# Altium PCB FMC_ADC_130M_16B_4CH.PcbDoc (part 8 of 8)
Units mil, origin at the board's own origin, x right, y up, seen from the top; angles counter-clockwise.
Board outline 3023 x 2716.54 mil, 8 copper layers (Top Layer, GND1, L3, GND2, L5, GND3, POWER, Bottom Layer), stack 52.323 mil thick; 406 components, 449 nets, 2146 pads, 1659 vias.
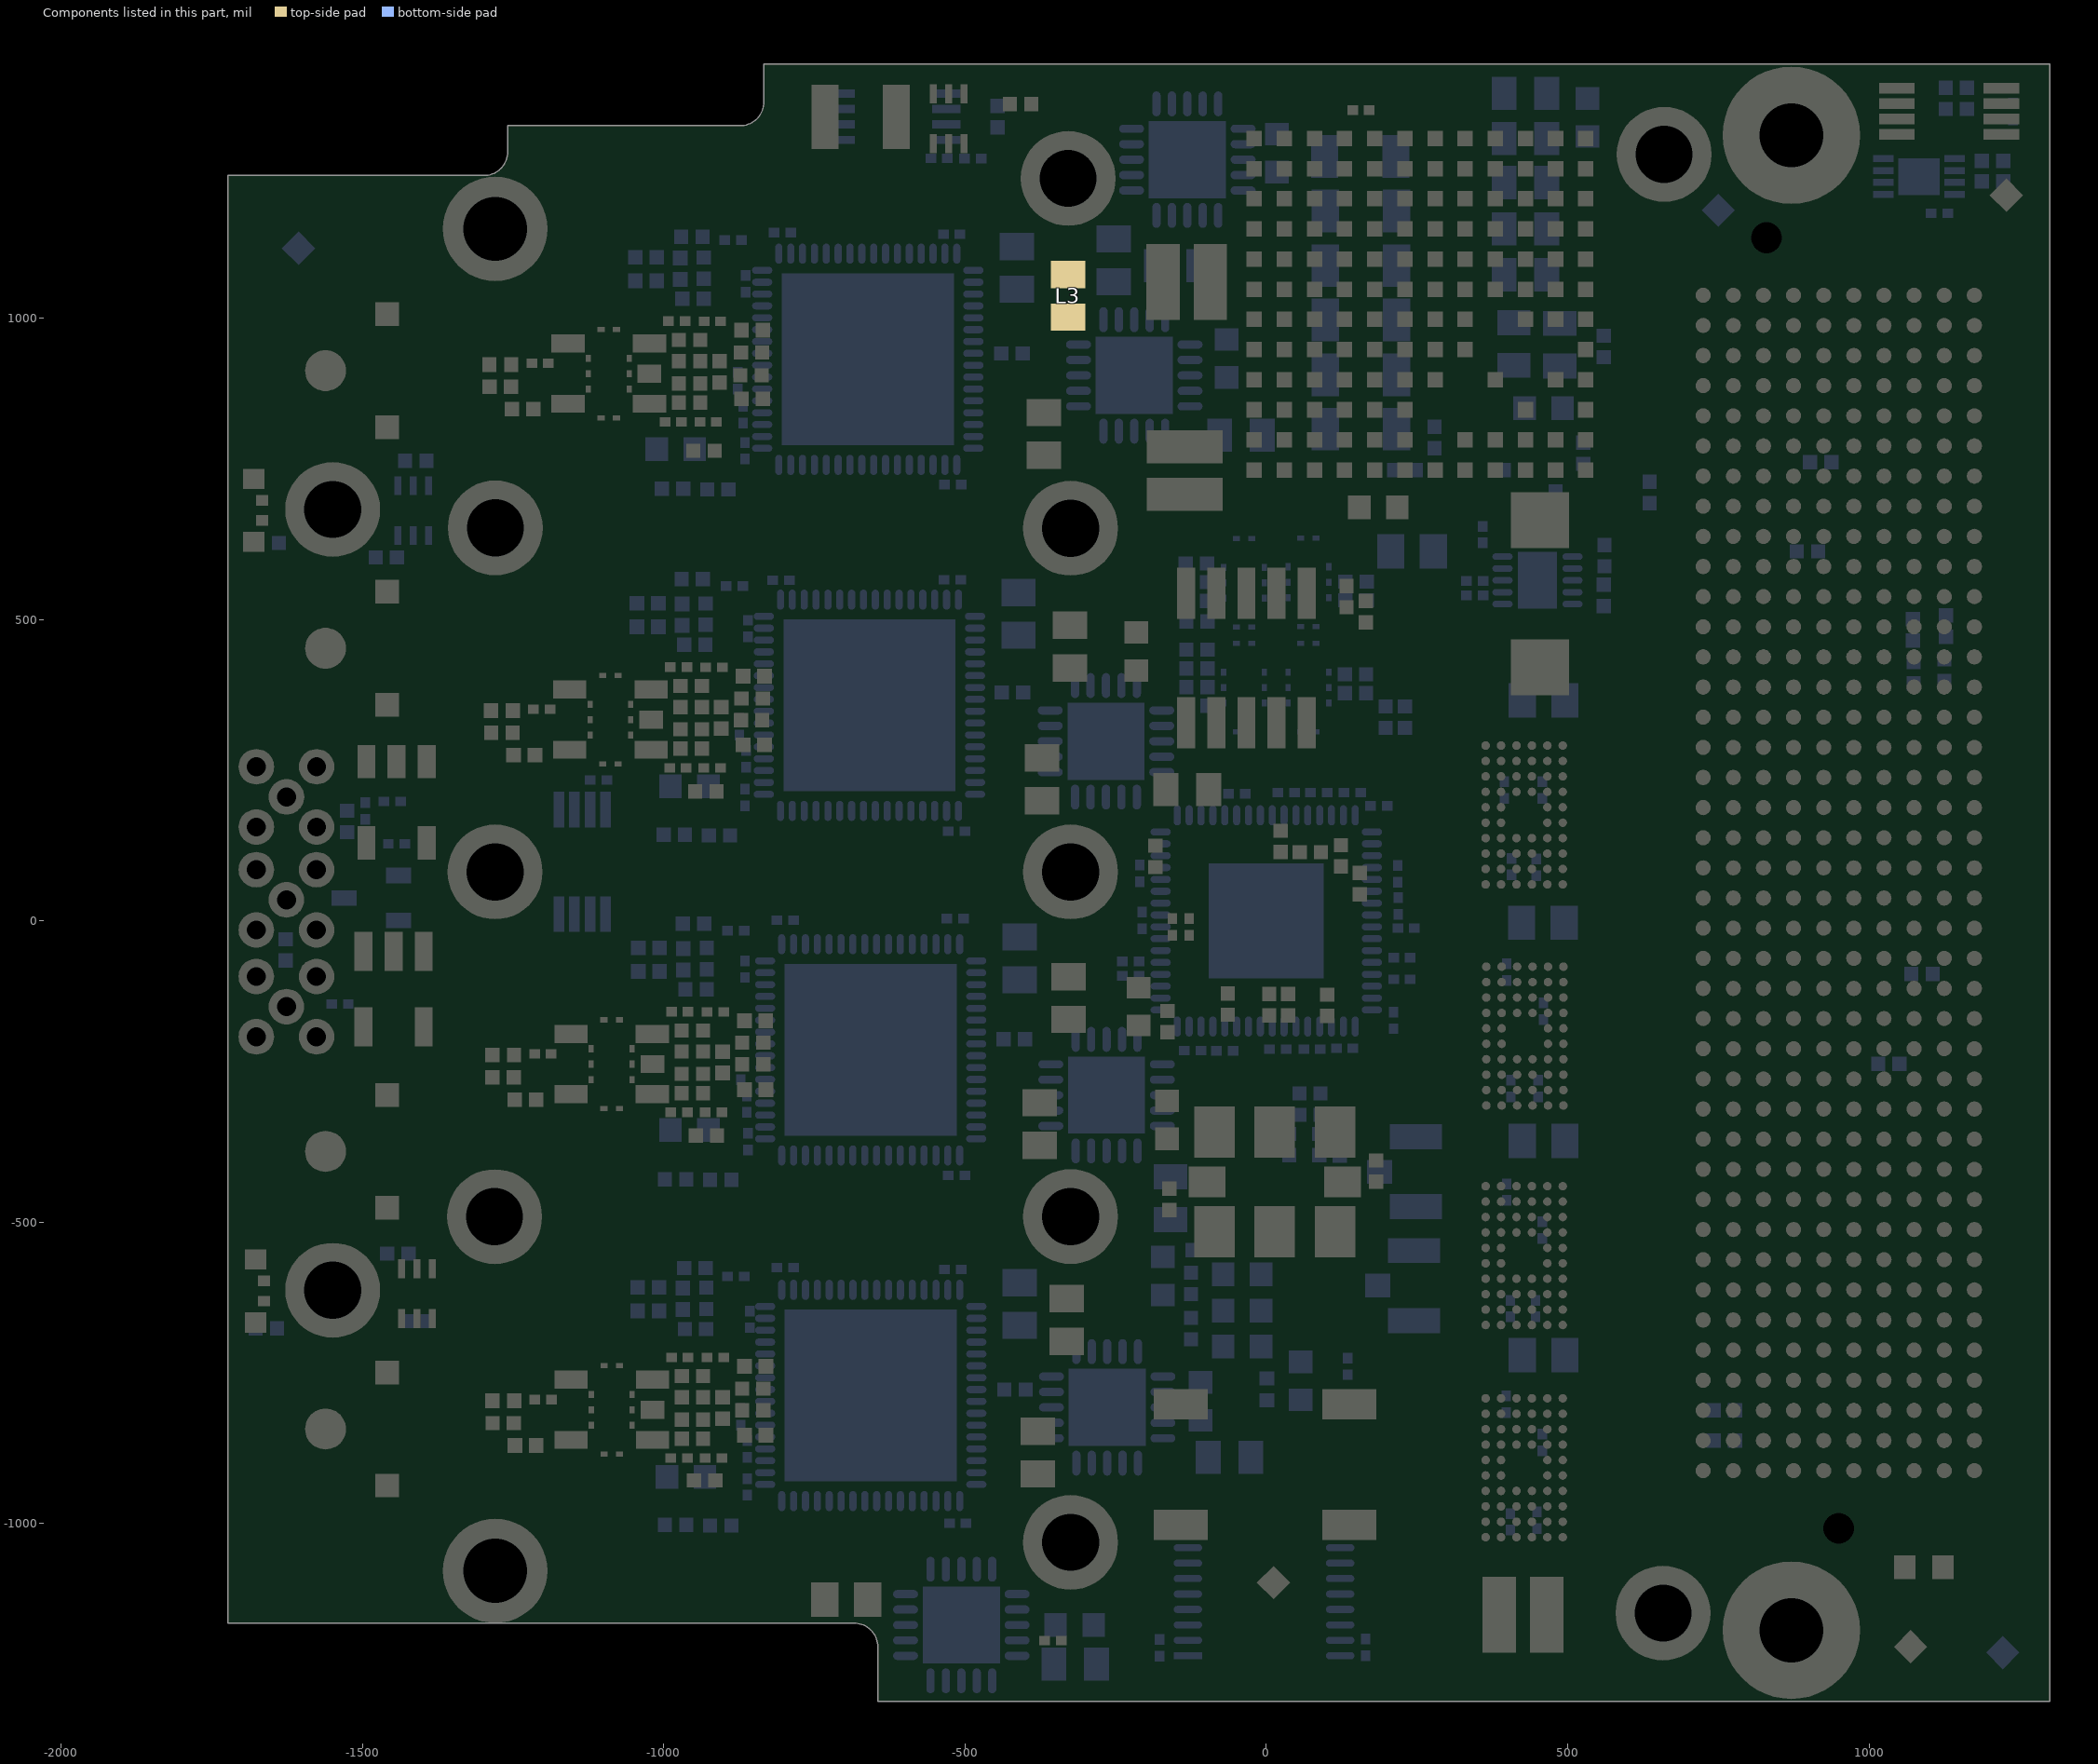
[diagram p14: the components of this part, seen from the top]

## Other copper
Top Layer:
  rectangle net AINA_N: -830.32,934.02 -816.42,948.88
  rectangle net GND: 258.35,465.89 313.06,726.71
  rectangle net P4V0: -43,681 139,717
  rectangle net P4V0: -67,681 -43,762
  rectangle net P4V0: -76,745 -54,1123
  rectangle net GND: -1420.94,-969.34 -1339.89,-890.39
  rectangle net GND: -1420.94,-743.68 -1347.19,-702.99
  rectangle net GND: -1420.94,-515 -1340,-429.76
  rectangle net GND: -1425,500 -1340,580
  rectangle net GND: -1425,775 -1345,835
  rectangle net GND: -1430,979.88 -1347.32,1040
  rectangle net GND: -380,133 -343,192
  rectangle net GND: -196,1198 -66,1328
  rectangle net GND: -284,840 -154,970
  rectangle net GND: -331,233 -201,363
  rectangle net GND: -330,-354 -200,-224
  rectangle net GND: -329,-872 -199,-742
  rectangle net GND: -571,-1233 -441,-1103
  rectangle net GND: -794.09,-925.06 -518.5,-649.47
  rectangle net GND: -794.2,-351.64 -518.61,-76.05
  rectangle net GND: -796.28,219.94 -520.69,495.53
  rectangle net GND: -798.99,793.94 -523.4,1069.53
  rectangle net GND: -395.58,682 -341,766.67
  rectangle net NetC91_2: -364.43,348 -344,396.43
  rectangle net P3V3_ADC2: -354,544 -317,561
  rectangle net P3V3_ADC2: -354,476 -304,546
  rectangle net P3V3_ADC3: -375,-121 -327,-70
  rectangle net NetC97_2: -405,-288 -369,-236
  rectangle net NetC97_2: -376,-288 -348,-141
  rectangle net P3V3: 462,-1213 555,-1170
  rectangle net NetC84_2: 275,-1214 411,-1173
  rectangle net P4V0_1: -200,1120 -144,1142
  rectangle net GND: -390,-987 -350,-932
  rectangle net NetC101_2: -400,-880 -366,-865
  rectangle net NetC101_2: -407,-843 -368,-797
  rectangle net NetC101_2: -370,-878 -345,-714
  rectangle net P3V3_ADC4: -359,-668 -303,-646
  rectangle net GND: 258.51,391.89 492.2,471.01
  rectangle net P12V0: 382,610 529,714
  rectangle net NetC77_2: -347,878 -307,997
  rectangle net NetC77_2: -391,849 -346,953
  rectangle net P3V3_ADC1: -347,1092 -311,1133
  rectangle net NetC91_2: -405,275 -343.28,361
  rectangle net NetC91_2: -352.28,368 -307,423
  rectangle net P4V0: -36,786 145,1163
  rectangle net P4V0: 32,1163 145,1340
  rectangle net GND: 260,866 349,1318
  rectangle net GND: 349,1024 401,1318
  rectangle net P12V0: 414,1024 546,1318
  rectangle net P4V0_2: -183,735 -107,755
  rectangle net GND: -90,-90 90,90
  rectangle net GND: -390,-455 -349.22,-370
  rectangle net GND: 164,873 276,1345
  rectangle net GND: 155,769 260,827
  rectangle net GND: -819.93,-751.07 -811.27,-742.26
  rectangle net NetC1D_1: -995.82,-753.35 -991.12,-741.97
  rectangle net GND: -921.09,816.24 -915.04,822
  rectangle net VCMB: -906.37,223.1 -900.49,230.08
  rectangle net VCMC: -901.52,-345.02 -899.57,-341.2
  rectangle net GND: 420.61,-945.24 435.59,-936.06
  rectangle net GND: 430.45,-867.03 441.17,-859.61
  rectangle net GND: 415.1,-820.03 432.94,-807.84
  rectangle net GND: 414.81,-593.98 441.39,-584.07
  rectangle net GND: 417.57,-229.39 440.86,-219.75
  rectangle net GND: 416.85,-151.95 441.35,-142.39
  rectangle net GND: 415.72,-101.42 426.57,-77.17
  rectangle net GND: 416.93,136.2 439.66,147.36
  rectangle net GND: 415.32,214.35 440.06,224.88
  region net ACTIVE4_CLK_N: -12.74,-144.79 -12.6,-144.93 -5.03,-144.93 -5.03,-148.35 -7.28,-150.6 -7.34,-150.54 -10.81,-150.54
  region net P3V3: 1029.26,1031.19 1029.26,1019.51 1025.94,1016.19 1025.71,1016.42 1019.58,1016.42 1016.55,1019.45 1016.55,1029.93
  region net B_CLKOUTAD: 492.86,-1024.64 498.41,-1024.64 500.9,-1027.13 500.31,-1027.72 500.31,-1033.63 499.16,-1034.78 497.23,-1034.78 491.17,-1028.72
  region net ACTIVE3_CLK_P: 159.08,495.07 156.44,492.43 156.44,486.58 156.41,486.58 153.3,483.47 153.27,483.5 148.88,483.5 148.88,491.36 150.58,493.06
  region net GND: 415.45,-1004.98 433.08,-1004.98 441.67,-996.39 441.67,-989.86 434.38,-982.57 421.72,-982.57 414.74,-989.55 414.74,-997.81
  region net GND: 430.95,-859.69 431.27,-860.01 431.27,-878.74 427.85,-878.74 424.88,-881.71 422.62,-879.45 417.72,-879.45 413.06,-874.79 413.06,-863.89 417.65,-859.3 428.88,-859.3
  region net GND: 415.78,-790.59 416.61,-790.59 440.18,-814.16 440.18,-817.84 415.78,-817.84 415.13,-817.19
  region net GND: 414.61,-644.2 414.61,-635.87 416.42,-634.06 437.4,-634.06 440.7,-637.36 440.7,-646.98 433.34,-654.34 417.84,-654.34
  region net GND: 415.13,-516.47 415.13,-509.04 418.22,-505.95 438.13,-505.95 441.35,-509.17 441.35,-517.44
  region net GND: 423.22,-101.54 432.25,-101.54 435.67,-98.12 435.67,-91.35 426.2,-81.88 421.13,-81.88 421.13,-100.28 421.94,-101.09
  region net GND: 416.68,-276.44 416.68,-275.99 422.23,-270.44 422.29,-270.5 437.6,-270.5 442.32,-275.22 442.32,-282.25 442,-282.25 434.5,-289.75 420.62,-289.75
  region net GND: 416.42,-442.73 422.1,-442.73 426.63,-447.26 426.63,-457.38 426.18,-457.38 420.75,-462.81 420.62,-462.68 417.33,-462.68
  region net GND: 417,-797.31 417.39,-796.92 422.1,-796.92 427.46,-802.28 422.94,-806.8 417.58,-806.8
  region net NetC91_2: -347.18,400.43 -352.77,394.84 -355.09,394.84 -355.09,397.17 -354.31,397.95
  region net P3V3: -1658.66,673.16 -1644.06,673.16 -1639.84,668.94 -1639.84,658.92 -1643.35,655.41 -1658.08,655.41
  region net NetLD2_3: -1657.73,706.71 -1657.66,706.64 -1645.2,706.64 -1640.61,702.05 -1640.61,693.48 -1645.27,688.82 -1658.12,688.82 -1659.02,689.72
  region net NetC2D_2: -1134.99,-771.02 -1131.13,-771.02 -1124.92,-777.23 -1124.92,-779.26 -1128.83,-779.26 -1129.41,-778.68
  region net GND: -725.19,-1088.86 -725.19,-1100.87 -726.1,-1101.78 -726.17,-1101.71 -737.6,-1101.71 -740.83,-1098.48 -740.83,-1088.67
  region net P1V8: -694.85,-1088.8 -694.59,-1089.06 -622.51,-1089.06 -614.51,-1097.06 -614.52,-1097.07 -614.52,-1128.83 -621.5,-1135.81 -691.22,-1135.81 -700.79,-1126.24 -700.79,-1101.97
  region net GND: -22.49,594.03 -18.23,589.77 -18.23,585.37 -29.72,585.37 -31.79,587.44
  region net INPUTA: -1241.08,935.2 -1227.64,932.87 -1227.62,932.87 -1227.61,930.48 -1241.12,930.47 -1241.1,935.2
  region net INPUTA: -1241.16,915.58 -1241.18,910.8 -1217,917.03 -1216.08,917.34 -1216.08,917.64 -1241.26,917.12
  region net NetJ6_1: -1311.6,903.12 -1300.41,897.72 -1298.55,897.76 -1298.6,905.67
  region net NetC6A_2: -1263.91,861.19 -1265.09,874.2 -1260.76,874.22 -1260.76,861.18
  region net NetC6A_2: -1239.52,861.2 -1241.47,874.19 -1241.48,874.22 -1245.87,874.25 -1245.89,861.09
  region net NetC2A_2: -1194.6,932.71 -1183.44,950.28 -1164.66,943.81 -1191.22,925
  region net NetC8A_2: -986.51,880.06 -986.52,871.61 -982.07,871.57 -982.07,880.18
  region net NetC8A_2: -962.9,880.04 -962.92,871.55 -967.41,871.54 -967.3,880.08
  region net NetC1A_2: -986.52,952.17 -986.52,939.34 -981.3,939.23 -981.54,952.56
  region net NetC1A_2: -962.92,952.15 -962.91,940.03 -967.53,939.98 -967.74,952.47
  region net NetC3A_1: -927.59,940.63 -919.17,940.91 -919.05,936.11 -927.66,936.25
  region net NetC3A_1: -927.49,917.02 -919.16,916.51 -919.01,921.45 -927.77,921.53
  region net NetC5A_1: -927.63,903.61 -919.16,905.51 -918.62,898.84 -927.79,898.98
  region net NetC5A_1: -927.57,880.03 -919.09,881.1 -919.12,884.59 -927.66,884.55
  region net NetC5A_1: -894.82,905.46 -884.44,906.81 -884.04,905.18 -894.82,900.59
  region net NetC1A_2: -986.51,975.59 -971.22,991.59 -972.29,970.62
  region net NetC8A_2: -986.51,848.09 -977.72,833.69 -971.75,835.5 -981.13,849.34
  region net NetC8A_1: -995.94,843.06 -988.94,835.86 -990.33,834.01 -998.9,843.68
  region net NetC8A_2: -962.94,848.05 -961.34,820.18 -971.99,824.83 -970.83,851.47
  region net NetC1B_2: -983.79,401.59 -968.5,417.59 -969.57,396.62
  region net NetC5B_1: -892.1,331.46 -881.72,332.81 -881.32,331.18 -892.1,326.59
  region net NetC5B_1: -924.85,306.03 -916.37,307.1 -916.4,310.59 -924.94,310.55
  region net NetC5B_1: -924.91,329.61 -916.44,331.51 -915.9,324.84 -925.07,324.98
  region net NetC3B_1: -924.77,343.02 -916.44,342.51 -916.29,347.45 -925.05,347.53
  region net NetC3B_1: -924.87,366.63 -916.45,366.91 -916.33,362.11 -924.94,362.25
  region net NetC1B_2: -960.2,378.15 -960.19,366.03 -964.81,365.98 -965.02,378.47
  region net NetC1B_2: -983.8,378.17 -983.8,365.34 -978.58,365.23 -978.82,378.56
  region net NetC8B_2: -960.18,306.04 -960.2,297.55 -964.69,297.54 -964.58,306.08
  region net NetC8B_2: -983.79,306.06 -983.8,297.61 -979.35,297.57 -979.35,306.18
  region net NetC2B_2: -1191.88,358.71 -1180.72,376.28 -1161.94,369.81 -1188.5,351
  region net NetC6B_2: -1236.8,287.2 -1238.75,300.19 -1238.76,300.22 -1243.15,300.25 -1243.17,287.09
  region net NetC6B_2: -1261.19,287.19 -1262.37,300.2 -1258.04,300.22 -1258.04,287.18
  region net INPUTB: -1238.44,341.58 -1238.46,336.8 -1214.28,343.03 -1213.36,343.34 -1213.36,343.64 -1238.54,343.12
  region net INPUTB: -1238.36,361.2 -1224.92,358.87 -1224.9,358.87 -1224.89,356.48 -1238.4,356.47 -1238.38,361.2
  region net NetC1C_2: -981.71,-169.98 -966.42,-153.98 -967.49,-174.95
  region net NetC5C_1: -890.02,-240.11 -879.64,-238.76 -879.24,-240.39 -890.02,-244.98
  region net NetC5C_1: -922.77,-265.54 -914.29,-264.47 -914.32,-260.98 -922.86,-261.02
  region net NetC5C_1: -922.83,-241.96 -914.36,-240.06 -913.82,-246.73 -922.99,-246.59
  region net NetC3C_1: -922.69,-228.55 -914.36,-229.06 -914.21,-224.12 -922.97,-224.04
  region net NetC3C_1: -922.79,-204.94 -914.37,-204.66 -914.25,-209.46 -922.86,-209.32
  region net NetC1C_2: -958.12,-193.42 -958.11,-205.54 -962.73,-205.59 -962.94,-193.1
  region net NetC1C_2: -981.72,-193.4 -981.72,-206.23 -976.5,-206.34 -976.74,-193.01
  region net NetC8C_2: -958.1,-265.53 -958.12,-274.02 -962.61,-274.03 -962.5,-265.49
  region net NetC8C_2: -981.71,-265.51 -981.72,-273.96 -977.27,-274 -977.27,-265.39
  region net NetC2C_2: -1189.8,-212.86 -1178.64,-195.29 -1159.86,-201.76 -1186.43,-220.57
  region net NetC6C_2: -1234.72,-284.37 -1236.67,-271.38 -1236.68,-271.35 -1241.07,-271.32 -1241.09,-284.48
  region net NetC6C_2: -1259.11,-284.38 -1260.29,-271.37 -1255.96,-271.35 -1255.96,-284.39
  region net INPUTC: -1236.36,-229.99 -1236.38,-234.77 -1212.2,-228.54 -1211.28,-228.23 -1211.28,-227.93 -1236.46,-228.45
  region net INPUTC: -1236.28,-210.37 -1222.84,-212.7 -1222.82,-212.7 -1222.81,-215.09 -1236.32,-215.1 -1236.3,-210.37
  region net NetC1D_2: -981.6,-743.41 -966.31,-727.41 -967.38,-748.38
  region net NetC5D_1: -889.91,-813.54 -879.53,-812.19 -879.13,-813.82 -889.91,-818.41
  region net NetC5D_1: -922.66,-838.97 -914.18,-837.9 -914.21,-834.41 -922.75,-834.45
  region net NetC5D_1: -922.72,-815.39 -914.25,-813.49 -913.71,-820.16 -922.88,-820.02
  region net NetC3D_1: -922.58,-801.98 -914.25,-802.49 -914.1,-797.55 -922.86,-797.47
  region net NetC3D_1: -922.68,-778.37 -914.26,-778.09 -914.14,-782.89 -922.75,-782.75
  region net NetC1D_2: -958.01,-766.85 -958,-778.97 -962.62,-779.02 -962.83,-766.53
  region net NetC1D_2: -981.61,-766.83 -981.61,-779.66 -976.39,-779.77 -976.63,-766.44
  region net NetC8D_2: -957.99,-838.96 -958.01,-847.45 -962.5,-847.46 -962.39,-838.92
  region net NetC8D_2: -981.6,-838.94 -981.61,-847.39 -977.16,-847.43 -977.16,-838.82
  region net NetC2D_2: -1189.69,-786.29 -1178.53,-768.72 -1159.75,-775.19 -1186.31,-794
  region net NetC6D_2: -1234.61,-857.8 -1236.56,-844.81 -1236.57,-844.78 -1240.96,-844.75 -1240.98,-857.91
  region net NetC6D_2: -1259,-857.81 -1260.18,-844.8 -1255.85,-844.78 -1255.85,-857.82
  region net INPUTD: -1236.25,-803.42 -1236.27,-808.2 -1212.09,-801.97 -1211.17,-801.66 -1211.17,-801.36 -1236.35,-801.88
  region net INPUTD: -1236.17,-783.8 -1222.73,-786.13 -1222.71,-786.13 -1222.7,-788.52 -1236.21,-788.53 -1236.19,-783.8
  region net GND: 415.48,265.88 415.76,265.6 429.86,265.6 430.42,266.16 430.3,266.28 430.3,281.42 427.26,281.42 419.67,289.01 416.32,289.01 416.32,266.6 415.64,265.92
  region net GND: -1389.74,-591.43 -1389.74,-597.59 -1387.24,-600.09 -1387.11,-599.96 -1381.22,-599.96 -1378.1,-596.84 -1378.1,-591.57
  region net NetLD1_1: -1661.62,-649.4 -1661.55,-649.47 -1653.88,-649.47 -1653.88,-658.16 -1653.96,-658.24 -1661.4,-658.24
  region net GND: 580.83,1139.94 580.56,1139.68 580.56,-1172.6 cw(c519.1,-1172.6) 562.56,-1216.06 cw(c521.92,-1175.41) 521.92,-1232.89 314.29,-1232.89 cw(c312.27,-1234.74) 315,-1234.74 315,-1268 578.24,-1268 578.39,-1268.15 600.54,-1245.99 cw(c642.1,-1287.55) 642.1,-1228.78 702.87,-1228.78 739.29,-1192.36 739.29,-1102.8 707.99,-1071.49 669.99,-1071.49 cw(c669.99,-1025.63) 637.56,-1058.06 635.84,-1056.34 cw(c680.12,-1012.06) 617.5,-1012.06 617.5,1145.55 617.37,1145.67 581.1,1145.67 580.83,1145.94
  region net GND: -133.44,616.7 145.28,616.7 cw(c145.28,552.66) 190.56,597.94 cw(c151.93,559.32) 206.56,559.32 206.56,-135.06 206.62,-135 242,-135 242,595.25 ccw(c185.87,595.25) 225.56,634.94 ccw(c184.52,593.9) 184.52,651.94 -132.94,651.94 -133,652 -133,617
  region net GND: -1252.47,1042.87 ccw(c-1252.47,1096.64) -1214.45,1058.62 -1186.69,1086.38 ccw(c-1233.74,1133.43) -1167.2,1133.43 -1167.2,1230.05 cw(c-1160.48,1230.05) -1165.24,1234.8 -1157.77,1234.8 ccw(c-1157.77,1238.16) -1155.39,1235.79 cw(c-1164.9,1226.28) -1151.46,1226.28 -1151.46,1120.94 cw(c-1178.34,1120.94) -1159.33,1101.93 -1210.71,1050.55 cw(c-1257.76,1097.6) -1257.76,1031.06 -1289.25,1031.06 -1289.25,1039.92
  region net GND: 580.83,1139.94 581,1147 582,1158 581,1312 581,1321.37 ccw(c526.37,1321.37) 565,1360 561.56,1363.44 ccw(c524,1325.89) 524,1379 -191.96,1379 ccw(c-191.96,1320.96) -233,1362 -234.03,1360.97 ccw(c-193.06,1320) -251,1320 -283,1320 -283,1366.59 ccw(c-286.41,1366.59) -284,1369 cw(c-281.59,1371.41) -285,1371.41 -285,1389 -253.82,1409.02 569.02,1409.02 627.57,1363.43 ccw(c660,1395.87) 660,1350 710,1350 ccw(c712.41,1350) 710.71,1348.29 740,1319 740,1230 cw(c737.59,1230) 739.29,1228.29 704,1193 677.46,1193 ccw(c677.46,1131.54) 634,1175 629.73,1170.73 ccw(c660.46,1140) 617,1140
  region net GND: -133,617 -188.13,617 ccw(c-188.13,552.13) -234,598 ccw(c-195.37,559.37) -250,559.37 -250,547 -266,547 -266,773 -250,773 -250,707.63 ccw(c-195.37,707.63) -234,669 ccw(c-192.96,710.04) -192.96,652 -133,652
  region net GND: 207,-331 ccw(c129.75,-331) 184.37,-276.37 183,-275 ccw(c156.44,-301.56) 156.44,-264 123,-264 123,-211 150.79,-211 ccw(c150.79,-159.79) 187,-196 ccw(c141.13,-150.13) 206,-150.13 206,-135 242,-135 242,-331
  region net GND: 147,-1233 ccw(c147,-1172.64) 189.68,-1215.32 190,-1215 ccw(c148.96,-1173.96) 207,-1173.96 207,-331 242,-331 242,-1174.37 ccw(c296.63,-1174.37) 258,-1213 ccw(c306.29,-1164.72) 306.29,-1233 314,-1233 cw(c311.59,-1235.41) 315,-1235.41 315,-1268 147,-1268
  region net GND: -286,-135 -249,-135 -249,-158.2 ccw(c-201.2,-158.2) -235,-192 ccw(c-189.13,-146.13) -189.13,-211 123,-211 123,-264 -193.79,-264 ccw(c-193.79,-315.21) -230,-279 -234.15,-283.15 ccw(c-198.3,-319) -249,-319 -249,-341 -286,-341
  region net GND: -285.57,-792.76 -285.57,-896.33 cw(c-341.67,-896.33) -302,-936 -306.98,-940.98 cw(c-336,-911.96) -336,-953 ccw(c-336,-1010.94) -376.97,-969.97 -390,-983 -397,-993 -400,-999 -400,-999.27 cw(c-430.73,-999.27) -409,-1021 -418.44,-1030.44 cw(c-456,-992.89) -456,-1046 -466.13,-1046 -466.42,-1045.71 -466.42,-1079.17 -412.21,-1079.17 cw(c-412.21,-1133.21) -374,-1095 ccw(c-342.61,-1063.62) -342.61,-1108 -339,-1108 cw(c-339,-1156.28) -304.86,-1122.14 -304,-1123 cw(c-349.87,-1168.87) -285,-1168.87 -285,-1262 -279,-1268 147,-1268 147,-1233 -190.37,-1233 cw(c-190.37,-1178.37) -229,-1217 -234.86,-1211.14 cw(c-200.71,-1177) -249,-1177 -249,-792 -283.74,-792 ccw(c-283.74,-794.58)
  region net GND: -439.2,1251.26 -437.14,1251.26 ccw(c-437.14,1308.68) -396.53,1268.08 -361.29,1303.32 cw(c-344.62,1286.65) -344.62,1310.23 -342.05,1310.23 ccw(c-342.05,1361.23) -305.98,1325.16 -302.71,1328.43 ccw(c-344.72,1370.44) -285.31,1370.44 -284.58,1370.76 -251.12,1370.76 -251,906 -285,906 -285.57,1102.55 ccw(c-331.75,1102.55) -299.09,1135.2 -305.15,1141.26 ccw(c-340.43,1105.97) -340.43,1155.87 cw(c-340.43,1196) -368.81,1167.63 -401.23,1200.05 ccw(c-439.11,1162.17) -439.11,1215.74
  region net GND: -439.2,-473.95 -437.14,-473.95 ccw(c-437.14,-416.52) -396.53,-457.13 -361.29,-421.88 cw(c-344.62,-438.55) -344.62,-414.98 -342.05,-414.98 ccw(c-342.05,-363.98) -305.98,-400.04 -302.71,-396.77 ccw(c-344.72,-354.76) -285.31,-354.76 -285.31,-236.65 -250.87,-236.65 -250.87,-792.76 -285.57,-792.76 -285.57,-622.66 ccw(c-331.75,-622.66) -299.09,-590 -305.15,-583.95 ccw(c-340.43,-619.23) -340.43,-569.33 cw(c-340.43,-529.2) -368.81,-557.58 -401.23,-525.16 ccw(c-439.11,-563.04) -439.11,-509.47
  region net GND: -439.2,100.86 -437.14,100.86 ccw(c-437.14,158.28) -396.53,117.68 -361.29,152.92 cw(c-344.62,136.25) -344.62,159.83 -342.05,159.83 ccw(c-342.05,210.83) -305.98,174.76 -302.71,178.03 ccw(c-344.72,220.04) -285.31,220.04 -285.31,338.15 -250.87,338.15 -251,-237 -285,-237 -285.57,-47.85 ccw(c-331.75,-47.85) -299.09,-15.2 -305.15,-9.14 ccw(c-340.43,-44.43) -340.43,5.47 cw(c-340.43,45.6) -368.81,17.23 -401.23,49.65 ccw(c-439.11,11.77) -439.11,65.34
  region net GND: -439.2,668.77 -437.14,668.77 ccw(c-437.14,726.2) -396.53,685.59 -361.29,720.83 cw(c-344.62,704.17) -344.62,727.74 -342.05,727.74 ccw(c-342.05,778.74) -305.98,742.68 -302.71,745.95 ccw(c-344.72,787.95) -285.31,787.95 -285.31,906.06 -250.87,906.06 -251,338 -285,338 -285.57,520.06 ccw(c-331.75,520.06) -299.09,552.72 -305.15,558.77 ccw(c-340.43,523.49) -340.43,573.39 cw(c-340.43,613.52) -368.81,585.14 -401.23,617.56 ccw(c-439.11,579.68) -439.11,633.25
  region net GND: -1347.32,979.88 -1347.32,1030.08 -1332.56,1042.87 -1230.2,1042.87 -1165.24,1104.88 -1165.24,1234.8 -1148.5,1250.55 -438.73,1250.55 -438.86,1214.13 -1051.06,1215.12 -1054.55,1215.12 ccw(c-1054.55,1154.63) -1097.32,1197.4 ccw(c-1056.93,1157.01) -1114.05,1157.01 -1114.05,1107.83 -1211.78,1010.11 ccw(c-1210.1,1008.43) -1212.48,1008.43 -1257.48,1008.43 ccw(c-1257.48,941.22) -1305,988.74 -1313.34,980.4 -1313.34,979.88
  region net GND: -1343.82,-860.09 -1309.38,-860.09 -1309.38,-887.65 ccw(c-1259.48,-887.65) -1294.76,-922.93 -1290.68,-927.02 ccw(c-1252.66,-889) -1252.66,-942.77 -1190.11,-942.77 -1190.11,-942.94 -1105.14,-1027.9 ccw(c-1061.18,-983.95) -1061.18,-1046.11 -465.87,-1046.11 -465.87,-1079.58 -1052.45,-1079.58 ccw(c-1052.45,-1136.71) -1092.84,-1096.31 -1099.03,-1102.5 ccw(c-1097.35,-1104.18) -1099.73,-1104.18 -1106.62,-1115.01 -1109.57,-1125.84 -1149.93,-1125.84 -1149.93,-1055.96 ccw(c-1204.58,-1055.96) -1165.93,-1017.31 -1194.22,-989.03 -1206.03,-980.17 -1212.92,-977.22 -1219.81,-975.25 -1230.64,-973.28 -1335.95,-973.28 -1343.83,-965.4 -1343.82,-965.4
  region net GND: -1311.89,-310.6 ccw(c-1248.04,-310.6) -1293.19,-355.75 ccw(c-1254.75,-317.31) -1254.75,-371.67 -1192.62,-371.67 -1105.74,-458.55 ccw(c-1068.78,-421.58) -1068.78,-473.86 -439.28,-473.86 -439.11,-474.03 -439.11,-509.47 -1051.61,-509.47 ccw(c-1051.61,-572.72) -1096.34,-527.99 -1097.76,-529.41 ccw(c-1060.79,-566.38) -1113.07,-566.38 -1113.07,-614.08 ccw(c-1110.57,-614.08) -1112.34,-615.84 -1211.5,-715 cw(c-1213.87,-712.62) -1213.87,-715.98 -1267.63,-715.98 ccw(c-1267.63,-756.31) -1296.14,-727.8 -1309.82,-741.48 ccw(c-1307.21,-744.09) -1310.9,-744.09 -1312.87,-744.09 -1313.15,-743.82 -1347.05,-743.82 -1347.32,-743.54 -1347.32,-287.83 -1311.89,-287.83
  region net GND: -1311.89,264.2 ccw(c-1248.04,264.2) -1293.19,219.06 ccw(c-1254.75,257.5) -1254.75,203.13 -1192.62,203.13 -1105.74,116.26 ccw(c-1068.78,153.22) -1068.78,100.95 -439.28,100.95 -439.11,100.77 -439.11,65.34 -1051.61,65.34 ccw(c-1051.61,2.08) -1096.34,46.81 -1097.76,45.39 ccw(c-1060.79,8.43) -1113.07,8.43 -1113.07,-39.27 ccw(c-1110.57,-39.27) -1112.34,-41.04 -1211.5,-140.2 cw(c-1213.87,-137.82) -1213.87,-141.18 -1267.63,-141.18 ccw(c-1267.63,-181.51) -1296.14,-152.99 -1309.82,-166.67 ccw(c-1307.21,-169.29) -1310.9,-169.29 -1312.87,-169.29 -1313.15,-169.01 -1347.05,-169.01 -1347.32,-168.74 -1347.32,286.97 -1311.89,286.97
  region net GND: -1311.89,832.12 ccw(c-1248.04,832.12) -1293.19,786.97 ccw(c-1254.75,825.41) -1254.75,771.05 -1192.62,771.05 -1105.74,684.17 ccw(c-1068.78,721.13) -1068.78,668.86 -439.28,668.86 -439.11,668.68 -439.11,633.25 -1051.61,633.25 ccw(c-1051.61,570) -1096.34,614.72 -1097.76,613.3 ccw(c-1060.79,576.34) -1113.07,576.34 -1113.07,528.64 ccw(c-1110.57,528.64) -1112.34,526.87 -1211.5,427.72 cw(c-1213.87,430.09) -1213.87,426.73 -1267.63,426.73 ccw(c-1267.63,386.41) -1296.14,414.92 -1309.82,401.24 ccw(c-1307.21,398.63) -1310.9,398.63 -1312.87,398.63 -1313.15,398.9 -1347.05,398.9 -1347.32,399.17 -1347.32,854.88 -1311.89,854.88
L3:
  pour cut-out: -1561.14,952.49 cw(c-1561.14,911.52) -1532.17,940.49 -1532.07,940.39 cw(c-1555.97,916.49) -1522.17,916.49 -1522.17,909.63 cw(c-1556.31,909.63) -1532.17,885.49 cw(c-1561.14,914.46) -1561.14,873.49 -1565.44,873.49 cw(c-1565.44,904.22) -1587.17,882.49 -1590.97,886.3 cw(c-1568.78,908.49) -1600.17,908.49 -1600.17,912.52 cw(c-1559.2,912.52) -1588.17,941.49 cw(c-1561.61,914.93) -1561.61,952.49
  pour cut-out: -1561.14,491.86 cw(c-1561.14,450.89) -1532.17,479.86 -1532.07,479.76 cw(c-1555.97,455.86) -1522.17,455.86 -1522.17,449 cw(c-1556.31,449) -1532.17,424.86 cw(c-1561.14,453.83) -1561.14,412.86 -1565.44,412.86 cw(c-1565.44,443.59) -1587.17,421.86 -1590.97,425.67 cw(c-1568.78,447.86) -1600.17,447.86 -1600.17,451.89 cw(c-1559.2,451.89) -1588.17,480.86 cw(c-1561.61,454.3) -1561.61,491.86
  pour cut-out: -1561.14,-342.79 cw(c-1561.14,-383.76) -1532.17,-354.79 -1532.07,-354.89 cw(c-1555.97,-378.79) -1522.17,-378.79 -1522.17,-385.65 cw(c-1556.31,-385.65) -1532.17,-409.79 cw(c-1561.14,-380.82) -1561.14,-421.79 -1565.44,-421.79 cw(c-1565.44,-391.06) -1587.17,-412.79 -1590.97,-408.98 cw(c-1568.78,-386.79) -1600.17,-386.79 -1600.17,-382.76 cw(c-1559.2,-382.76) -1588.17,-353.79 cw(c-1561.61,-380.34) -1561.61,-342.79
  pour cut-out: -1561.14,-803.42 cw(c-1561.14,-844.39) -1532.17,-815.42 -1532.07,-815.52 cw(c-1555.97,-839.42) -1522.17,-839.42 -1522.17,-846.28 cw(c-1556.31,-846.28) -1532.17,-870.42 cw(c-1561.14,-841.45) -1561.14,-882.42 -1565.44,-882.42 cw(c-1565.44,-851.69) -1587.17,-873.42 -1590.97,-869.61 cw(c-1568.78,-847.42) -1600.17,-847.42 -1600.17,-843.39 cw(c-1559.2,-843.39) -1588.17,-814.42 cw(c-1561.61,-840.97) -1561.61,-803.42
Bottom Layer:
  rectangle net GND: 47.07,461.06 91.75,487.93
  rectangle net GND: -58.27,460.15 -14.62,488.5
  rectangle net GND: -69.61,621.23 -15.4,631.94
  rectangle net GND: 50.7,617.66 89.37,634.55
  rectangle net P4V0: 46,681 124,784
  rectangle net GND: -12,761 40,792
  rectangle net P4V0_1: -117,1059.89 -77.1,1134
  rectangle net P1V8: -429,-137 -396,-118
  rectangle net NetC19C_2: -431,-67 -390,-46
  rectangle net NetC97_2: -414,-362 -384,-235
  rectangle net P1V8: -427,-755 -396,-665
  rectangle net P1V8: -423,406 -375,475
  rectangle net P1V8: -462,983 -385,1067
  rectangle net NetC19A_2: -491,1126.76 -401,1175
  rectangle net NetC19A_2: -516,684 -483,724
  rectangle net NetC19A_2: -535,1154 -497,1174
  rectangle net NetC77_2: -398,848 -339,913
  rectangle net NetC77_2: -399,820 -339,848
  rectangle net NetC77_2: -399,805 -263,820
  rectangle net NetC77_2: -366,908 -339,984
  rectangle net P4V0: 46,784 145,1318
  rectangle net GND: 164,775 261,1318
  rectangle net P12V0: 423,1027 537,1319
  rectangle net GND: 343,1032 407,1376
  rectangle net P12V0: 443,1315 485,1375
  rectangle net P4V0_2: -219,-457 -131,-402
  rectangle net P4V0_2: -235,-479 -197,-429
  rectangle net P4V0_2: -210,-957 -109,-898
  rectangle net P4V0_2: -182,-917 -105,-862
  rectangle net NetC91_2: -415,250 -390,360
  rectangle net GND: -49.8,460.43 -24.2,487.57
  rectangle net GND: 57.2,465 82.8,488.57
  rectangle net GND: 57.2,460.43 82.8,488.57
  rectangle net GND: -66,284 -24.2,313.57
  rectangle net GND: 57.2,282 80,313.57
  rectangle net NetC78_2: 123,589 192,615
  rectangle net P3V3_CLK: 295,599 335,658
  rectangle net P3V3_CLK: 130,442 231,463
  region net GND: -525.89,-1015.98 -525.74,-1016.13 -520.52,-1016.13 -519.08,-1014.69 -519.08,-1006.18 -519.84,-1005.42 -532.75,-1005.42 -534.03,-1006.7 -534.03,-1012.54 -533.05,-1013.52 -533.05,-1013.53
  region net GND: -178.29,-1174.39 -169.78,-1174.39 -169.04,-1175.13 -169.04,-1184.06 -170.05,-1185.07 -183.34,-1185.07 -184.93,-1183.48 -184.93,-1174.65 -184.31,-1174.03
  region net NetOSC2_4: 75.97,-406.18 76.04,-406.11 76.04,-395.71 82.1,-395.71 83.94,-397.55 83.57,-397.92 83.57,-400.65 83.42,-400.65 78.48,-405.59
  region net FUNCTION: -187.44,162.93 -185.82,161.31 -185.82,152.08 -176.66,152.08 -174.96,153.78 -174.96,157.62 -175.56,157.62 -183.16,165.22
  region net GND: -184.12,-13.59 -184.12,-21.34 -186.63,-21.34 -190.03,-17.94 -189.95,-17.86 -189.95,-11.37 -186.04,-11.37 -184.27,-13.14
  region net GND: -988.37,-938.61 -978.93,-938.61 -967.26,-950.28 -967.26,-957.81 -973.23,-957.81 -989.55,-941.49
  region net GND: -855.93,-881.03 -849.03,-881.03 -848.33,-881.73 -852.68,-886.08 -854.6,-886.08
  region net GND: -856.78,-308.96 -850.94,-308.96 -850.72,-309.18 -853.93,-312.39 -855.52,-312.39
  region net GND: -931.82,-408.69 -931.71,-408.8 -931.71,-419.14 -917.35,-419.14 -916.13,-417.92 -916.13,-408.8
  region net GND: -982.91,-360.64 -982.91,-364.92 -972.36,-375.47 -966,-375.47 -964.67,-374.14 -964.67,-370.01 -970.8,-363.88
  region net GND: -969.77,204.05 -969.77,202.11 -967.96,200.3 -967.96,195.97 -969.77,195.97 -971.13,194.61 -979.36,202.84 -979.36,204.76
  region net GND: -867.93,835 -867.89,835.04 -856.92,835.04 -857.15,834.81 -857.15,832.49 -859.32,832.49 -860.47,831.34
  region net GND: -117.97,956.26 -80.91,956.26 -76.33,960.84 -76.33,976.04 -82.83,982.54 -102.91,982.54 -112.95,972.5 -112.95,960.25
  region net RF5: -45.54,603.97 -40.51,603.97 -38.6,605.88 -38.6,608.64
  region net ADC1_CLK_P: -142.42,553.77 -142.62,553.57 -149.69,553.57 -151.23,555.11 -146.48,559.86 -143.23,559.86
  region: -1088,909
  region: -1088,909
  region: -1088,909
  region: -1088,909
  region net P3V3_ADC2: -807.24,544.15 -807.24,554.38 -810.65,557.79 -812.95,557.79 -812.95,544.96 -811.78,543.79 -811.66,543.91 -807.13,543.91
  region net SDA: 1157.65,1270.41 1157.7,1270.36 1178.7,1270.36 1178.7,1258.78 1178.59,1258.67 1157.96,1258.67
  region net SCL: 1156.3,1239.08 1156.56,1238.82 1162.9,1238.82 1162.9,1242.67 1163,1242.77 1162.9,1242.87 1156.4,1242.87 1156.4,1239.18 1156.66,1238.92
  region net NetQ2_3: -1631.85,-668.55 -1622.86,-668.55 -1622.79,-668.62 -1623.23,-669.06 -1623.23,-676.14 -1632.67,-676.14 -1632.96,-675.85
  region net GND: 252.31,-104.53 246.64,-104.53 244.99,-102.88 244.99,-100.92 250.54,-100.92 252.1,-102.48
  region net GND: 225.1,47.73 225.2,47.63 231.27,47.63 231.27,43.02 230.92,42.67 225.4,42.67 225.4,47.38 225.65,47.63
  region net GND: 366.89,661.21 366.89,671.85 363.4,675.34 353.81,675.34 351.16,672.69 351.16,662.77
  region net GND: 546.21,1372.74 560.54,1372.74 570.16,1363.12 570.16,1343.59 566.05,1339.48 552.92,1339.48 546.11,1346.29 546.11,1352.9
  region net GND: -212.35,1000.88 -212.35,1027.65 -224.86,1040.16 -240.01,1040.16 -244.81,1035.36 -244.81,1019.12 -237.6,1011.91 -226.58,1011.91 -224.77,1010.1
GND1 (plane layer: these items are gaps in the copper):
  pour cut-out: -1421,-310.19 -1420,-309.19 -1420,-197 -1380.48,-157.48 -1181.1,-157.48 -1181.79,-158.17 -1181.79,-335 -1182,-335 -1183,-336 -1183,-372 -1218.81,-372 -1234,-387.19 -1315,-387.19 -1390.19,-312 -1419.79,-312
  pour cut-out: -1193.46,403.81 -1183.18,414.09 -1183.18,236.18 -1183,236 -1270.79,236 -1322.79,288 -1402,288 -1421,307 -1421,402.81 -1422,403.81
  pour cut-out: -1335.79,442 -1337,516 -1515.21,518 -1512.51,517.3 -1603.96,517.3 -1623.71,497.55 -1623.71,402.51 -1623.25,402.51 -1603.5,382.76 -1513.15,382.76 -1493.32,402.59 -1336,403.81
  pour cut-out: -1316,-388.02 -1316,-309.28 -1516.21,-313 -1513.51,-313.7 -1604.96,-313.7 -1624.71,-333.45 -1624.71,-428.49 -1624.25,-428.49 -1604.5,-448.24 -1514.15,-448.24 -1494.32,-428.41 -1334.01,-428.41
  pour cut-out: -1318.79,-849.02 -1318.79,-770.28 -1519,-774 -1516.3,-774.7 -1607.75,-774.7 -1627.5,-794.45 -1627.5,-889.49 -1627.04,-889.49 -1607.29,-909.24 -1516.94,-909.24 -1497.11,-889.41 -1336.8,-889.41
  pour cut-out: -1323.69,948.72 -1323.69,869.98 -1490.56,869.98 -1514.86,845.69 -1606.31,845.69 -1626.06,865.43 -1626.06,960.47 -1625.6,960.47 -1605.85,980.22 -1515.5,980.22 -1495.67,960.39 -1335.36,960.39
  pour cut-out: -1323.69,948.72 -1225.27,948.72 -1185.9,988.09 -1048.1,988.09 -1028.42,1007.78 -929.99,1007.78 -910.31,988.09 -910.31,830.61 -929.99,810.93 -1264.64,810.93 -1323.69,869.98
  pour cut-out: -1320.98,374.72 -1222.55,374.72 -1183.18,414.09 -1045.39,414.09 -1025.7,433.78 -927.28,433.78 -907.59,414.09 -907.59,256.61 -927.28,236.93 -1261.92,236.93 -1320.98,295.98
  pour cut-out: -1318.79,-770.28 -1220.36,-770.28 -1180.99,-730.91 -1043.2,-730.91 -1023.51,-711.22 -925.09,-711.22 -905.4,-730.91 -905.4,-888.39 -925.09,-908.07 -1259.73,-908.07 -1318.79,-849.02
  pour cut-out: -1318.9,-196.85 -1220.47,-196.85 -1181.1,-157.48 -1043.31,-157.48 -1023.62,-137.8 -925.2,-137.8 -905.51,-157.48 -905.51,-314.96 -925.2,-334.65 -1259.84,-334.65 -1318.9,-275.59
  lines w8: -57,1421.64 -57,716 -8.91,667.91 318.4,667.91 357.49,707 ; 566,1042 567,1041 567,704
  lines w10: 357.49,707 564.91,707 566.37,708.46
GND3 (plane layer: these items are gaps in the copper):
  lines w8: -58,1412 -58,719 -8.82,669.82 318.42,669.82 357.6,709 ; 567,705 567,1042
  lines w10: -5,805 0,800 ; 357.6,709 564.26,709 566.84,711.58
GND2 (plane layer: these items are gaps in the copper):
  lines w8: -57,1407 -57,717 -7.66,667.66 317.1,667.66 357.44,708 ; 567,704 567,1039
  lines w10: 357.44,708 565.18,708 567.81,710.63
POWER (plane layer: these items are gaps in the copper):
  lines w8: -719,-1035 -719,-1158 -712.02,-1164.97 -683.94,-1164.97 ; -540,682 -540,1095 -540,1173 -518,1195 -437,1195 -417,1175 -417,1103 -466,1054 -466,679 -537,679 -1017.33,679 -1038,699.67 -1038,743 -981,800 -922,800 -910,812 -910,1147 -805,1252 -423,1252 ; -537.28,108 -537.28,521 -537.28,599 -515.28,621 -434.28,621 -414.28,601 -414.28,529 -463.28,480 -463.28,105 -534.28,105 -1014.61,105 -1035.28,125.67 -1035.28,169 -978.28,226 -919.28,226 -907.28,238 -907.28,573 -802.28,678 -420.28,678 -295,552.72 -295,483 -332,446 -350.28,446 -392.28,488 -392.28,505 -414.28,527 ; -535.2,-463.57 -535.2,-50.57 -535.2,27.43 -513.2,49.43 -432.2,49.43 -383,0.22 -383,-59.37 -461.2,-137.57 -461.2,-466.57 -532.2,-466.57 -1012.53,-466.57 -1033.2,-445.9 -1033.2,-402.57 -976.2,-345.57 -917.2,-345.57 -905.2,-333.57 -905.2,1.43 -800.2,106.43 -418.2,106.43 -282.2,-29.57 ; -535.09,-1034 -1018.42,-1034 -1033.09,-1019.33 -1033.09,-976 -976.09,-919 -917.09,-919 -905.09,-907 -905.09,-572 -800.09,-467 -418.09,-467 -290,-595.09 -290,-680 -309,-699 -348.09,-699 -390.09,-657 -390.09,-640 -412.09,-618 ; -522,-1290 -522,-1165 -493,-1136 -184,-1136 37,-1136 39,-1134 ; -417,1104 -417,1101 -395,1079 -395,1062 -353,1020 -298,1020 -286,1032 -286,1115 -287,1116 ; -390.2,-66.57 -390.2,-107.8 -372.43,-125.57 -293.2,-125.57 -281.2,-113.57 -281.2,-30.57 ; -287,823 -119,823 -97,801 -97,717 -49,669 -28,669 80,561 201,561 256,506 381,506 472,415 ; -234,-409 -234,-63 -253,-44 -253,159 -195,217 -195,458 -227,490 -227,702 -287,762 -287,800 -287,1116 ; -234,-400 -234,-427 -241.92,-434.92 -241.92,-485.04 -229,-497.96 -229,-754 -261,-786 -261,-940 -218.88,-982.12 -156.12,-982.12 ; -234,-286 -156,-286 -125,-317 -125,-453 -164,-492 -164,-815 -148,-831 -148,-832 -134,-846 155,-846 ; -226,607 -126,607 -79,560 -4,560 74,482 193,482 207,468 207,306 284,229 284,92 284,-159 198,-245 198,-539 198,-803 155,-846 ; -215.88,-982.12 -156.12,-982.12 ; -122,1354 -122,886 -42,806 -42,764 95,627 187,627 ; 174,-827 155,-846 ; 184,561 184,702.28 215.76,734.04 382,734.04 ; 382,1357 382,595 391,586 553.29,586 557,589.71 557,683 557,933 709,1085 959,1085 974,1070 974,959 966,951 748,951 675,878 675,580 675,-926 446,-1155 ; 459,-1284 458.31,-1283.31 458.31,-1167.31 446,-1155 ; 471,345 411,345 382,316 382,-849 315,-916 -90,-916 -156.12,-982.12 ; 557,644 557,500 472,415 ; 974,1066 1003,1095 1073,1095 1093,1075 1093,1057 1093,951 1075,933 1067,925 1067,774 1086,755 1096,755 1125,755 1152,782 1152,874 1174,896 1174,1138 1111,1201 735,1201 636,1300 636,1325 604,1357 -318,1357 -423,1252 ; -423,1252 -287,1116 ; 446,-1155 284,-1155 224,-1155 145,-1234 65,-1234 39,-1208 39,-1133 112,-1060 226,-1060 446,-1060 472,-1034 472,415 ; -535.09,-1037 -521.78,-1050.32 -471.41,-1050.32 -461.09,-1040 -461.09,-665 -412.09,-616 -412.09,-566.91 -455,-524 -513.09,-524 -535.09,-546 -535.09,-624 -535.09,-1037
  lines w10: -1701.85,-691.5 -1638.5,-691.5 -1618.85,-671.85 -1618.85,-334.07 -1489.57,-204.79 -1489.57,254.24 -1631.09,395.76 -1631.09,1031.71 -1610.23,1052.57 -1242.82,1052.57 -1201.99,1093.4 -1201.99,1218.59 -1162.08,1258.5 -811.5,1258.5 -805,1252 ; -252,98 -151,98 -79,170 -79,560

## Silkscreen, mask and mechanical layers (free items; w line width, h text height)
Bottom Overlay:
  drawing of 105 lines, arcs and shapes, not listed
  text "http://www.ohwr.org/projects/fmc-adc-130m-16b-4cha" at 1252,620 h60 r90
  text "Open Hardware Repository" at 1182,371 h65 r90
  text "FMC ADC 130M 16B 4CH v1.0" at 712,330 h70 r90
  text "CLKN" at 163,-490 h30
  text "sirius" at 1123,-564.5 h39.37 r90
  text "CLKP" at 161,-565 h30
  text "Laboratorio Nacional" at 1035,-668.5 h39.37 r90
  text "de Luz Sincrotron" at 1073,-672.5 h39.37 r90
Top Solder:
  drawing of 34 lines, arcs and shapes, not listed
Drill Guide:
  text "INPUT1" at -2238,901 h39.37
  text "INPUT2" at -2211,438 h39.37
  text "EXT CLK" at -2185,189 h39.37
  text "TRIG" at -2081,17 h39.37
  text "REF IN" at -2169,-152 h39.37
  text "INPUT3" at -2218,-391 h39.37
  text "INPUT4" at -2241,-829 h39.37
Mechanical 1:
  the board outline again, w5
Mechanical 2:
  circle w3.94: c-1279.31,1147.81 r40.35
  circle w3.94: c-1278.32,-1078.53 r40.35
  lines w3.94: -2341.42,35 -1541.22,35 ; -1849.19,1185.21 -1831.47,1185.21 ; -1849.19,1185.25 -1849.19,-1115.93 -1831.47,-1115.93 ; -1768.48,1185.21 -1711.39,1185.21 ; -1750.76,-989.95 -1278.32,-989.95 cw(c-1278.32,-1078.53) -1278.32,-1167.12 -1711.39,-1167.12 -1711.39,-1115.93 -1768.48,-1115.93 ; -1750.76,-988.97 -1750.76,1058.28 ; -1750.76,1059.23 -1278.32,1059.23 ; -1711.39,1185.25 -1711.39,1236.43 -1278.32,1236.43 cw(c-1278.32,1147.85) -1278.32,1059.26 ; -1317.69,-1078.53 -1238.95,-1078.53 ; -1317.69,1147.81 -1238.95,1147.81 ; -1279.58,-1077.54 -1279.58,1148.46 ; -1279.41,-1078.19 -2305,-1078.19 -2305,1148.19 -1279.41,1148.19 ; -1278.32,-1117.9 -1278.32,-1039.16 ; -1278.32,1108.44 -1278.32,1187.18 ; -1831.47,-1115.94 cw(c-1799.97,-1115.94) -1768.48,-1115.94 ; -1831.47,-1115.93 -1831.47,1185.25 ccw(c-1799.97,1185.25) -1768.48,1185.25 -1768.48,-1115.93
Mechanical 3:
  text "ADC 4CH" at -3076.44,1114.43 h39.37
  text "IN1" at -3199.44,974.43 h55.12 r270
  text "LD2" at -3054.44,654.43 h55.12
  text "IN2" at -3199.44,509.43 h55.12 r270
  text "ext" at -2969.44,204.43 h55.12
  text "CLK" at -2969.44,129.43 h55.12
  text "TRIG" at -2969.44,4.43 h55.12
  text "REF" at -2969.44,-175.57 h55.12
  text "IN3" at -3199.44,-330.57 h55.12 r270
  text "LD1" at -3049.44,-645.57 h55.12
  text "IN4" at -3199.44,-785.57 h55.12 r270
  text "130MHz,16b" at -3146.44,-1080.57 h39.37
Title Block:
  text ".Print_Scale" at -2497.33,-4030.72 h50
Mechanical 8:
  circle w3.94: c871.18,-1176.79 r114.17
  circle w3.94: c871.18,1303.53 r114.17
  circle w3.94: c871.18,-1176.79 r53.15
  circle w3.94: c949.92,-1007.5 r25.59
  circle w3.94: c871.18,1303.53 r53.15
  circle w3.94: c-1278.42,-1078.36 r53.15
  lines w3.94: -1711.5,-948.44 -491.02,-948.44 -491.02,1020.07 -1711.5,1020.07 ; -1317.8,-1078.36 -1278.43,-1078.36 ; -1278.43,-1117.73 -1278.43,-1078.36 ; -1278.43,-1038.99 -1278.43,-1078.36 ; -1239.06,-1078.36 -1278.43,-1078.36 ; 831.81,-1176.79 871.18,-1176.79 ; 871.18,-1216.16 871.18,-1176.79 ; 871.18,-1137.42 871.18,-1176.79 ; 910.55,-1176.79 871.18,-1176.79 ; 910.55,-1007.49 949.92,-1007.49 ; 949.92,-1046.86 949.92,-1007.49 ; 949.92,-968.12 949.92,-1007.49 ; 989.29,-1007.49 949.92,-1007.49 ; 1134.96,-913.01 1174.33,-913.01 ; 1174.33,-952.38 1174.33,-913.01 ; 1174.33,-873.64 1174.33,-913.01 ; 1213.7,-913.01 1174.33,-913.01
Mechanical 9:
  lines w3.94: -1258.74,1319.28 -1258.74,1275.97 cw(c-1298.11,1275.97) -1298.11,1236.6 -1711.5,1236.6 -1711.5,-1164.97 -1128.82,-1164.97 ; -1002.83,-1164.97 -683.94,-1164.97 cw(c-683.94,-1204.35) -644.57,-1204.35 -644.57,-1294.9 233.39,-1294.9 ; -1002.83,1319.28 -872.91,1319.28 ccw(c-872.91,1358.65) -833.54,1358.65 -833.54,1421.64 233.39,1421.64 ; 359.37,-1294.9 1300.32,-1294.9 1300.32,0.38 ; 359.37,1421.64 1300.32,1421.64 1300.32,126.36
Mechanical 10:
  lines w3.94: -1908.35,-1294.9 -1711.5,-1294.9 -1711.5,-1491.75 ; -1908.35,1236.6 -1711.5,1236.6 -1711.5,1433.45 ; -1809.92,-1164.97 -1711.5,-1164.97 -1711.5,-1263.4 ; -931.97,1421.64 -833.54,1421.64 -833.54,1520.07 ; -742.99,-1294.9 -644.57,-1294.9 -644.57,-1393.32 ; 1497.17,-1294.9 1300.32,-1294.9 ; 1300.32,-1294.9 1300.32,-1491.75 1300.32,-1294.9
Drill Drawing:
  lines w3.94: -1337.48,1275.97 -1298.11,1275.97 ; -1298.11,1236.6 -1298.11,1275.97 ; -1298.11,1315.34 -1298.11,1275.97 ; -1258.74,1275.97 -1298.11,1275.97 ; -912.28,1358.65 -872.91,1358.65 ; -872.91,1319.28 -872.91,1358.65 ; -872.91,1398.02 -872.91,1358.65 ; -833.54,1358.65 -872.91,1358.65 ; -723.31,-1204.35 -683.94,-1204.35 ; -683.94,-1243.72 -683.94,-1204.35 ; -683.94,-1164.97 -683.94,-1204.35 ; -644.57,-1204.35 -683.94,-1204.35
Mechanical 20:
  drawing of 259 lines, arcs and shapes, not listed

## Dimensions
1300.32,1421.64 to -1730.79,1035.81 on Drill Drawing
1300.32,1421.64 to 1300.32,-1294.9 on Drill Drawing
-1298.11,1236.6 to -1722.68,-1164.97 on Drill Drawing
-644.57,-1294.9 to -1711.5,-983.48 on Drill Drawing
-644.57,-1204.35 to -1711.5,-983.48 on Drill Drawing
-683.94,-1204.35 to -552.14,-1072.55 on Drill Drawing
-1258.74,1319.28 to -1711.5,1055.1 on Drill Drawing
-833.54,1358.65 to -1258.74,1275.97 on Drill Drawing
-1722.68,1236.6 to -1258.74,1319.28 on Drill Drawing
-1711.5,1055.1 to -833.54,1421.64 on Drill Drawing

## Text inside footprints (layer, text, board x,y; h text height)
IC8: Mechanical 14 "9" at 560,903 h15.75 r270; Mechanical 14 "1" at 560,1303 h15.75 r270; Mechanical 14 "2" at 560,1253 h15.75 r270; Mechanical 14 "3" at 560,1203 h15.75 r270; Mechanical 14 "4" at 560,1153 h15.75 r270; Mechanical 14 "5" at 560,1103 h15.75 r270; Mechanical 14 "6" at 560,1053 h15.75 r270; Mechanical 14 "7" at 560,1003 h15.75 r270; Mechanical 14 "8" at 560,953 h15.75 r270; Mechanical 14 "10" at 560,853 h15.75 r270; Mechanical 14 "11" at 560,803 h15.75 r270; Mechanical 14 "12" at 560,753 h15.75 r270; Mechanical 14 "F" at 275,1338 h15.75 r270; Mechanical 14 "E" at 325,1338 h15.75 r270; Mechanical 14 "D" at 375,1338 h15.75 r270; Mechanical 14 "G" at 225,1338 h15.75 r270; Mechanical 14 "C" at 425,1338 h15.75 r270; Mechanical 14 "B" at 475,1338 h15.75 r270; Mechanical 14 "A" at 525,1338 h15.75 r270; Mechanical 14 "H" at 175,1338 h15.75 r270; Mechanical 14 "J" at 125,1343 h15.75 r270; Mechanical 14 "K" at 74.02,1340.13 h15.75 r270; Mechanical 14 "L" at 24.02,1340.13 h15.75 r270; Mechanical 14 "M" at -25.98,1340.13 h15.75 r270
J9: Top Overlay "40" at 584.21,1005.81 h39.37; Top Overlay "1" at 632.1,-937.66 h39.37; Mechanical 11 "k" at 717.1,-1117.66 h39.37; Mechanical 11 "j" at 762.1,-1112.66 h39.37; Mechanical 11 "g" at 862.1,-1112.66 h39.37; Mechanical 11 "h" at 809.92,-1116.99 h39.37; Mechanical 11 "f" at 912.1,-1122.66 h39.37; Mechanical 11 "a" at 1164.92,-1116.99 h39.37; Mechanical 11 "b" at 1114.92,-1116.99 h39.37; Mechanical 11 "c" at 1064.92,-1116.99 h39.37; Mechanical 11 "d" at 1010.74,-1117.66 h39.37; Mechanical 11 "e" at 962,-1116.1 h39.37; Mechanical 14 "a" at 1164.92,-1116.99 h39.37; Mechanical 14 "b" at 1114.92,-1116.99 h39.37; Mechanical 14 "c" at 1064.92,-1116.99 h39.37; Mechanical 14 "d" at 1010.74,-1117.66 h39.37; Mechanical 14 "e" at 962,-1116.1 h39.37; Mechanical 14 "f" at 912.1,-1122.66 h39.37; Mechanical 14 "h" at 809.92,-1116.99 h39.37; Mechanical 14 "g" at 862.1,-1112.66 h39.37; Mechanical 14 "j" at 762.1,-1112.66 h39.37; Mechanical 14 "k" at 717.1,-1117.66 h39.37; Mechanical 14 "40" at 669.92,1138.01 h39.37 r270; Mechanical 14 "1" at 632.1,-937.66 h39.37
LD1: Mechanical 8 "C" at -1624.83,-637.62 h19.69 r90
LD2: Mechanical 8 "C" at -1627.83,657.38 h19.69 r90